# Altium PCB PCB1.PcbDoc (continued)
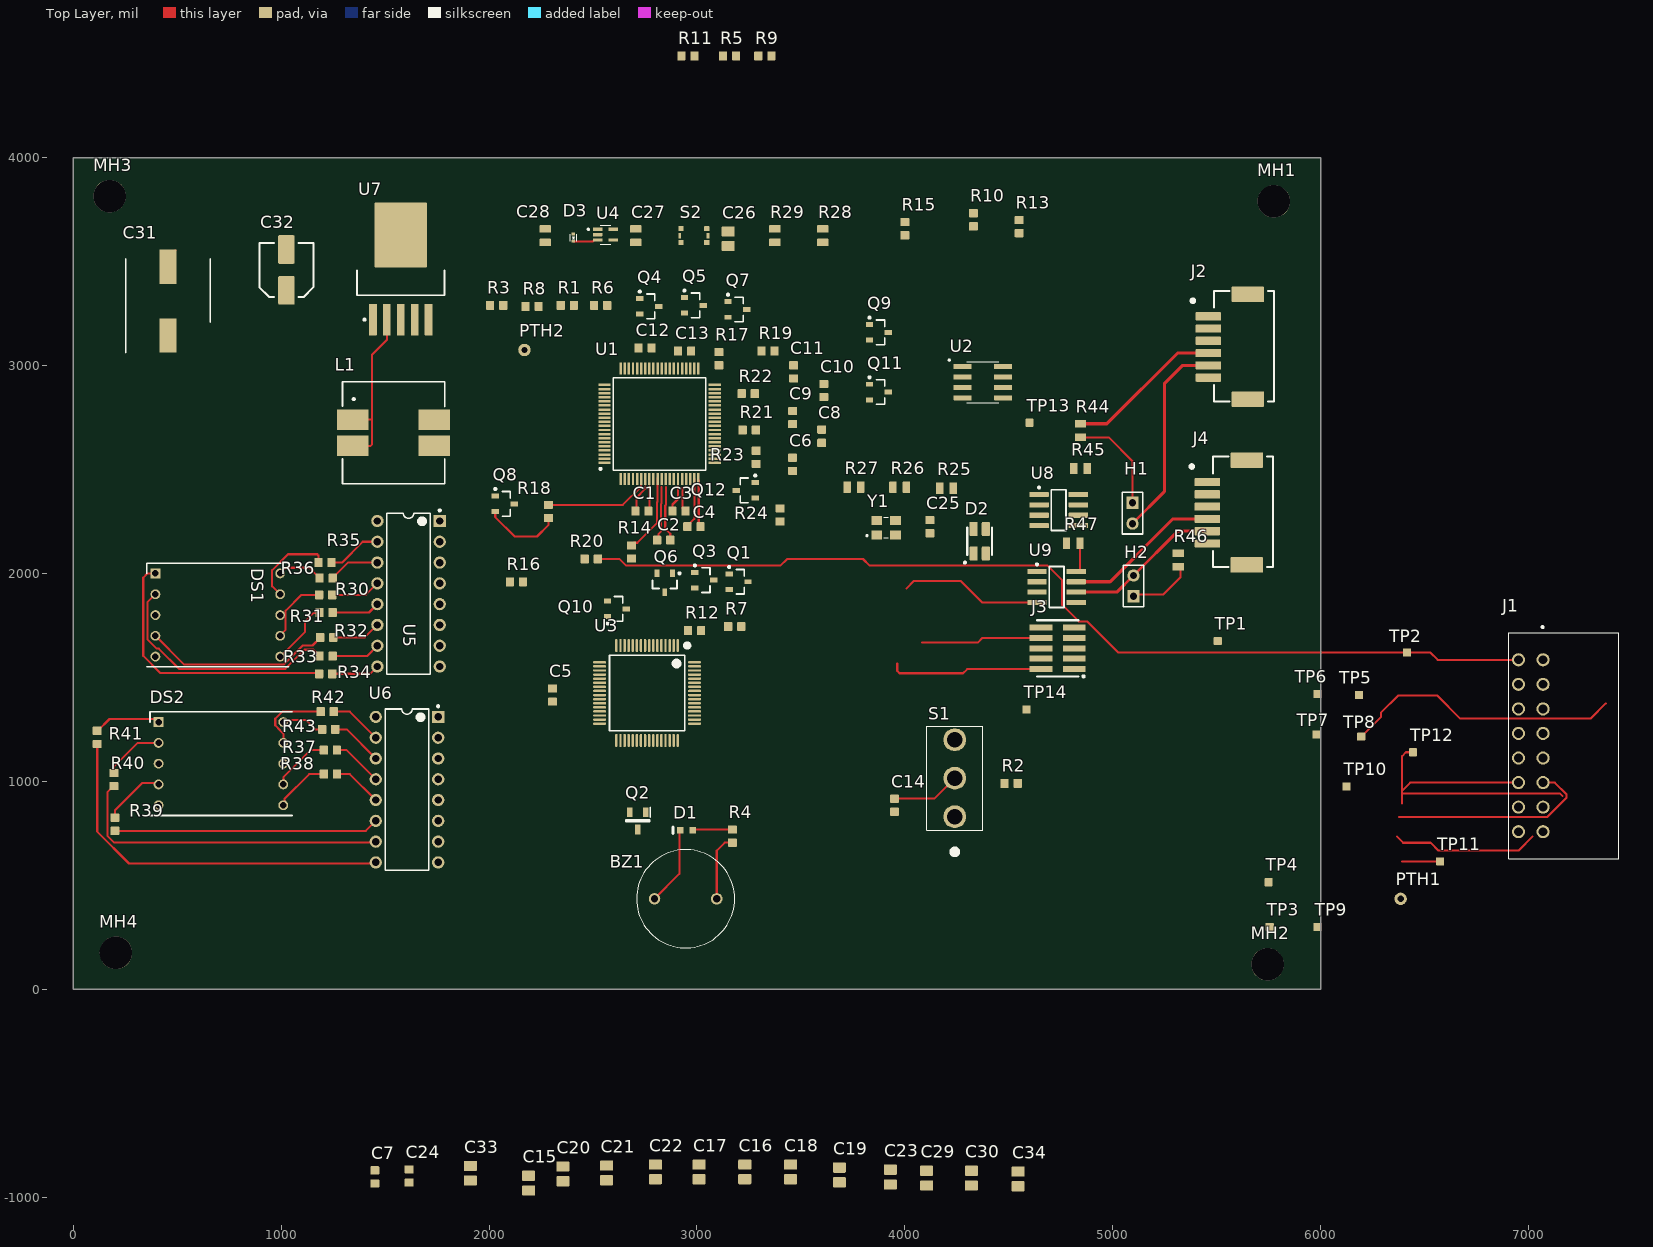
[diagram p0: Top Layer view]
## Footprints (in the part's own frame and the unit in brackets; to place one, negate y for a bottom-side part, rotate by r counter-clockwise, add the part's x,y. Pads: shape width x height; smd on the part's side, far side on the other; paste and mask are expansions set on the pad) (continued)
RADIAL_CORNELL_D [mm] "Size D radial surface mount capacitor"
  rrect15% 2x3.5 smd: 1(0,-2.5) 2(0,2.5)
  silkscreen extent -3.3,-3.3 3.3,3.3, body extent -3.3,-3.62 3.3,3.67, height 5.9
RES0603 [mm] "Chip Resistor, Body 1.6x0.8mm, IPC Medium Density"
  rrect15% 1x1.1 smd: 1(0,0) 2(1.6,0)
  body extent 0,-0.4 1.6,0.4, height 0.46
RES0805 [mm] "Chip Resistor, 2-Leads, Body 2.00x1.25mm, IPC High Density"
  rrect15% 0.9x1.4 smd: 1(-0.825,0) 2(0.825,0)
  body extent -1,-0.62 1,0.63, height 0.61
SOD-923 [mm]
  rrect15% 0.35x0.45 smd mask+0.05: 1(-0.437,0) 2(0.437,0)
  silkscreen extent -0.4,-0.4 0.4,0.4, body extent -0.53,-0.32 0.53,0.32, height 0.43
SOIC127P600X175-8N [mm]
  rrect15% 2.2x0.6 smd: 1(-2.475,1.905) 2(-2.475,0.635) 3(-2.475,-0.635) 4(-2.475,-1.905) 5(2.475,-1.905) 6(2.475,-0.635) 7(2.475,0.635) 8(2.475,1.905)
  silkscreen extent -4.2,-2.51 1.95,2.8, body extent -3,-2.45 3,2.45, height 1.75
SOT23-3#1 [mm] "SOT23, 3-Leads, Body 2.90x2.30mm, Pitch 0.95mm, IPC Medium Density"
  rect 0.9x0.6 smd: 1(-1.15,0.95) 2(-1.15,-0.95) 3(1.15,0)
  silkscreen extent -1.27,-1.5 0.7,1.92, body extent -1.3,-1.5 1.3,1.5, height 1.1
SOT23-3#2 [mm] "SOT23, 3-Leads, Body 2.90x2.30mm, Pitch 0.95mm, IPC Medium Density"
  rect 0.9x0.6 smd: 1(-1.15,-0.95) 2(-1.15,0.95) 3(1.15,0)
  silkscreen extent -1.27,-1.92 0.7,1.5, body extent -1.3,-1.5 1.3,1.5, height 1.1
SOT65P210X110-5N [mm]
  rrect25% 1.19x0.4 smd: 1(-0.96,0.65) 2(-0.96,0) 3(-0.96,-0.65) 4(0.96,-0.65) 5(0.96,0.65)
  silkscreen extent -2.2,-1.17 0.63,1.17, body extent -1.05,-1 1.05,1, height 1.1
SOT96P240X100-3N [mm]
  rect 1.2x0.65 smd: 1(-1.05,0.96) 2(-1.05,-0.96) 3(1.05,0)
  silkscreen extent -1.65,-1.45 0.1,1.54, body extent -1.2,-1.45 1.2,1.45, height 1
STM-LQFP64_L [mm] "QFP, 64-Leads, Body 10x10mm, Pitch 0.5mm, IPC High Density"
  oval 1.6x0.3 smd: 1(-5.8,3.75) 2(-5.8,3.25) 3(-5.8,2.75) 4(-5.8,2.25) 5(-5.8,1.75) 6(-5.8,1.25) 7(-5.8,0.75) 8(-5.8,0.25) 9(-5.8,-0.25) 10(-5.8,-0.75) 11(-5.8,-1.25) 12(-5.8,-1.75) 13(-5.8,-2.25) 14(-5.8,-2.75) 15(-5.8,-3.25) 16(-5.8,-3.75) 33(5.8,-3.75) 34(5.8,-3.25) 35(5.8,-2.75) 36(5.8,-2.25) 37(5.8,-1.75) 38(5.8,-1.25) 39(5.8,-0.75) 40(5.8,-0.25) 41(5.8,0.25) 42(5.8,0.75) 43(5.8,1.25) 44(5.8,1.75) 45(5.8,2.25) 46(5.8,2.75) 47(5.8,3.25) 48(5.8,3.75)
  oval 0.3x1.6 smd: 17(-3.75,-5.8) 18(-3.25,-5.8) 19(-2.75,-5.8) 20(-2.25,-5.8) 21(-1.75,-5.8) 22(-1.25,-5.8) 23(-0.75,-5.8) 24(-0.25,-5.8) 25(0.25,-5.8) 26(0.75,-5.8) 27(1.25,-5.8) 28(1.75,-5.8) 29(2.25,-5.8) 30(2.75,-5.8) 31(3.25,-5.8) 32(3.75,-5.8) 49(3.75,5.8) 50(3.25,5.8) 51(2.75,5.8) 52(2.25,5.8) 53(1.75,5.8) 54(1.25,5.8) 55(0.75,5.8) 56(0.25,5.8) 57(-0.25,5.8) 58(-0.75,5.8) 59(-1.25,5.8) 60(-1.75,5.8) 61(-2.25,5.8) 62(-2.75,5.8) 63(-3.25,5.8) 64(-3.75,5.8)
  silkscreen extent -5.92,-4.6 4.6,5.03, body extent -5.98,-6 6.02,6, height 1.56
TACTILE_SWITCH_SMD [mm]
  rrect15% 0.65x0.6 smd: 1(-1.575,0.85) 2(1.575,0.85) 3(1.575,-0.85) 4(-1.575,-0.85)
  rrect15% 0.35x0.7 smd: 5(1.725,0) 6(-1.725,0)
  body extent -1.75,-1.35 1.75,1.35, height 1.6
TESTPOINT_SQUARE_1MM [mm]
  rrect20% 1x1 smd: 1(0,0)
WE-DD-XL [mm] "SMD Inductor, 4-Leads, Body 12.5 x 12.5 mm"
  rect 3.85x2.5 smd: 1(-4.975,1.6) 2(-4.975,-1.6) 3(4.975,-1.6) 4(4.975,1.6)
  silkscreen extent -6.25,-6.25 6.25,6.25, body extent -6.3,-6.25 6.2,6.25, height 8.59
XTAL_ECS-250-20-33-CKM-TR [mm]
  rect 1.3x1.1 smd: 1(-1.15,-0.9) 2(1.15,-0.9) 3(1.15,0.9) 4(-1.15,0.9)
  silkscreen extent -2.45,-1.25 0.27,1.25, body extent -1.62,-1.25 1.58,1.25, height 0.8

## Part data
BZ1: "Buzzer", Manufacturer 1="CUI Inc.", Mouser Part Number=490-CMI-1275C-050, Supplier Part Number 1=668-1456-ND, Arrow Part Number=CMI-1275C-050, Arrow Price/Stock=https://www.arrow.com/en/products/cmi-1275c-050/cui-inc, Datasheet Link=https://componentsearchengine.com/Datasheets/1/CMI-1275C-050.pdf, Height=8mm, Manufacturer Part Number 1=CMI-1275C-050, Mouser Price/Stock=https://www.mouser.co.uk/ProductDetail/CUI-Devices/CMI-1275C-050?qs=qCxwlXJ4fnyWvfqXc%252BNqAA%3D%3D, Supplier 1=Digi-Key
C1 C2 C3 C4 C5 C6 C8 C9 C10 C11 C12 C13: "CAP CER 1UF 50V X6S 0603", Dielectric=X6S, Manufacturer 1="TDK Corporation", Manufacturer Part Number 1=C1608X6S1H105K080AC, Supplier Part Number 1=445-7424-1-ND, Voltage Rating=50V, Supplier 1=Digi-Key
C7: "CAP CER 0.1UF 50V X7R 0603", Dielectric=X7R, Manufacturer 1=Yageo, Manufacturer Part Number 1=CC0603KRX7R9BB104, Package/Footprint=0603, Supplier Part Number 1=311-1344-1-ND, Voltage Rating=50V, Mounting Type=SMD, Supplier 1=Digi-Key
C14: "CAP CER 0.1UF 16V X7R 0603", Dielectric=X7R, LCSC Number=C108079, Manufacturer 1=Yageo, Manufacturer Part Number 1=CC0603KRX7R7BB104, Package/Footprint=0603, Supplier Part Number 1=311-1088-1-ND, Voltage Rating=16V, Supplier 1=Digi-Key
C15 C16 C17 C18 C19 C20 C21 C22 C23 C29 C30 C33 C34: "CAP CER 0.1UF 50V X7R 0805", Dielectric=X7R, LCSC Part #=C49678, Manufacturer 1="Murata Electronics", Manufacturer Part Number 1=GCM21BR71H104KA37K, Package/Footprint=0805, Supplier Part Number 1=490-8049-1-ND, Voltage Rating=50V, Mounting Type=SMD, Supplier 1=Digi-Key
C24 C25: "CAP CER 14PF 50V C0G/NP0 0603", Dielectric=C0G, Manufacturer 1=Samsung, Manufacturer Part Number 1=CL10C140JB8NNNC, Package=0603, Supplier Part Number 1=1276-2187-1-ND, Voltage Rating=50V, Mounting Type=SMD, Supplier 1=Digi-Key
C26: "CAP CER 1UF 50V X7R 0805", LCSC Part #=C28323, Manufacturer 1="Samsung Electro-Mechanics", Manufacturer Part Number 1=CL21B105KBFNNNG, Package=0805, Supplier Part Number 1=1276-6470-1-ND, Voltage Rating=50V, Mounting Type=SMD, Supplier 1=Digi-Key
C27: "CAP CER 4.7UF 16V X5R 0805", Dielectric=X5R, LCSC Part #=C1779, Manufacturer 1="Samsung Electro-Mechanics", Manufacturer Part Number 1=CL21A475KOFNNNE, Package=0805, Supplier Part Number 1=1276-1065-1-ND, Voltage Rating=16V, Mounting Type=SMD, Supplier 1=Digi-Key
C28: "CAP CER 0.01uF 100V X7R 0805", Dielectric=X7R, LCSC Part #=C1710, Manufacturer 1="AVX Corporation", Manufacturer Part Number 1=08051C103KAT2A, Package=0805, Supplier Part Number 1=478-1358-1-ND, Voltage Rating=100V, Mounting Type=SMD, Supplier 1=Digi-Key
C31: "Capacitor", Manufacturer_Name="Wurth Elektronik", Mouser Part Number=710-865080557015, Datasheet Link=https://nz.mouser.com/datasheet/2/445/865080557015-1726432.pdf, Height=10.5mm, Manufacturer_Part_Number=865080557015, Mouser Price/Stock=https://www.mouser.co.uk/ProductDetail/Wurth-Elektronik/865080557015?qs=0KOYDY2FL29uKDjS3YVvFg%3D%3D
C32: "CAP ALUM 100UF 20% 35V SMD", Manufacturer 1=Rubycon, Manufacturer Part Number 1=35TKV100M8X10.5, Package/Footprint=SMD, Supplier Part Number 1=1189-2074-1-ND, Voltage Rating=35V, Mounting Type=SMD, Supplier 1=Digi-Key
D1: library part CMP-1744-00002-1, "Chip LED, Green, 2.2 V, -40 to 85 degC, 2-Pin SMD, RoHS, Tape and Reel", Case\Package=SOIC, Clock Frequency="100 KHz", Frequency="400 KHz", LCSC Number=C188729, Max Operating Temperature="85 degC", Max Supply Voltage="5.5 V", Min Operating Temperature="-40 degC", Min Supply Voltage="1.7 V", Nominal Supply Current="2 mA", Package Quantity=3000, Access Time="3500 ns", ComponentLink1Description="Manufacturer URL", ComponentLink1URL=http://www.avagotech.com/, ComponentLink2Description=Datasheet, ComponentLink2URL=http://docs.avagotech.com/docs/AV02-0551EN, ComponentLink3Description="Package Specification", ComponentLink3URL=http://www.fairchildsemi.com/dwg/MA/MA03D.pdf, DatasheetVersion=Mar-12, Density="32 kb", Height="1.5 mm", Interface=Serial, Length="5 mm", Max Clock Frequency="100 KHz", Mount="Surface Mount", PackageDescription="2-Pin Surface Mount Device, Body 1.6 x 0.8 mm, Height 0.9 mm", PackageReference=HSMX-C190, Packaging="Tape and Reel", Pins=8, Radiation Hardening=No, REACH SVHC="No SVHC", RoHSCompliant=true, Width="4 mm"
D2: "LED RGB DIFFUSED 4PLCC SMD", Color=Blue,Green,Red, Forward Voltage=3.1V, Lens Color=White, Manufacturer 1=Broadcom, Manufacturer Part Number 1=ASMB-MTB1-0A3A2, Package/Footprint=4-PLCC, Supplier Part Number 1=516-3280-1-ND, Test Current=20mA, Dominant Wavelength=470nm, Lens Style=Round, Lens Transparency=Diffused, Luminous Intensity=350mcd, Mounting Type=SMD, Number of Pins=4, Supplier 1=Digi-Key, Viewing Angle=115°
D3: "TVS DIODE 3.3VWM 11VC SOD923", Manufacturer 1="Central Semiconductor Corp", Manufacturer Part Number 1="CMATVS3V3 TR PBFREE", Package/Footprint=SOD-923, Supplier Part Number 1=1514-CMATVS3V3TRPBFREECT-ND, Voltage - Breakdown (Min)=5V, Voltage - Clamping (Max) @ Ipp=11V, Voltage - Reverse Standoff (Typ)=3.3V, Mounting Type=SMD, Supplier 1=Digi-Key
DS1 DS2: "Display", Manufacturer_Name=Lite-On, Mouser Part Number=859-LSHD-5503, Arrow Part Number=LSHD-5503, Arrow Price/Stock=https://www.arrow.com/en/products/lshd-5503/lite-on-technology, Datasheet Link=https://componentsearchengine.com/Datasheets/1/LSHD-5503.pdf, Height=8.25mm, Manufacturer_Part_Number=LSHD-5503, Mouser Price/Stock=https://www.mouser.com/Search/Refine.aspx?Keyword=859-LSHD-5503
H1 H2: "HEADER 2X1", Manufacturer 1="TE Connectivity", Manufacturer Part Number 1=87220-2, Package/Footprint=TH, Supplier Part Number 1=A26542-ND, Mount="Through Hole", Mounting Type=TH, Supplier 1=Digi-Key
J1: "Connector 16 Pin AJX", Arrow Part Number=0430451600, Manufacturer_Name=Molex, Arrow Price/Stock=https://www.arrow.com/en/products/0430451600/molex, Datasheet Link=https://www.molex.com/pdm_docs/sd/430451600_sd.pdf, Height=9.02mm, Manufacturer_Part_Number=0430451600
J2 J4: "CONN HEADER SMD RIGHT ANGLE 1.5 MM PITCH", Manufacturer 1=Molex, Manufacturer Part Number 1=5025850670, Package/Footprint=SMD, Supplier Part Number 1=WM12832CT-ND, Family=CLIK-Mate, Mounting Type=SMD, Supplier 1=Digi-Key
J3: "CONN HEADER SMD 10POS 1.27MM", Manufacturer 1=Samtec, Manufacturer Part Number 1=FTSH-105-01-F-DV-K, Supplier Part Number 1=SAM8796-ND, Mounting Type=SMD, Pitch=1.27mm, Supplier 1=Digi-Key
L1: library part CMP-0228-00007-1, "SMD Shielded Coupled Inductor WE-DD, L = 220 µH", Inductance="220 ÂµH", ComponentLink1Description="Manufacturer Link", ComponentLink1URL=http://www.we-online.com, ComponentLink2Description=Datasheet, ComponentLink2URL=http://www.we-online.de/katalog/media/pdf/744870221.pdf, DatasheetVersion="ver 6, Mar-2005", PackageDescription="SMD Inductor, 4-Leads, Body 12.5 x 12.5 mm", PackageReference=WE-DD-XL, PackageVersion=2006
Q1 Q3 Q4 Q5 Q6 Q7 Q8 Q9 Q10 Q11 Q12: "MOSFET N-CH 20V 6A SOT-23", Manufacturer 1="Alpha & Omega", Manufacturer Part Number 1=AO3420, Supplier Part Number 1=785-1014-2-ND, Supplier 1=Digi-Key
Q2: "MOSFET (N-Channel)", Manufacturer_Name="Diodes Inc.", Mouser Part Number=621-DMN65D8L-7, Arrow Part Number=DMN65D8L-7, Arrow Price/Stock=https://www.arrow.com/en/products/dmn65d8l-7/diodes-incorporated?region=nac, Datasheet Link=https://www.diodes.com/assets/Datasheets/DMN65D8L.pdf, Height=1mm, Manufacturer_Part_Number=DMN65D8L-7, Mouser Price/Stock=https://www.mouser.co.uk/ProductDetail/Diodes-Incorporated/DMN65D8L-7?qs=gfe7vQ8txpWvqTwiknwghA%3D%3D
R1 R5 R6 R9 R10 R13 R14 R17 R18 R21 R23: "RES 3K OHM 1% 1/10W 0603", Manufacturer 1=Yageo, Manufacturer Part Number 1=RC0603FR-073KL, Supplier Part Number 1=311-3.00KHRCT-ND, Supplier 1=Digi-Key
R2 R4: "RES 1K OHM 5% 1/10W 0603", LCSC Number=C14676, Manufacturer 1=Yageo, Manufacturer Part Number 1=RC0603JR-071KL, Package/Footprint=0603, Supplier Part Number 1=311-1.0KGRCT-ND, Mounting Type=SMD, Supplier 1=Digi-Key
R3 R7 R8 R11 R12 R15 R16 R19 R20 R22 R24: "RES 430 OHM 5% 1/10W 0603", Manufacturer 1="Stackpole Electronics", Manufacturer Part Number 1=RMCF0603JT430R, Package/Footprint=0603, Mounting Type=SMD, Supplier 1=Digi-Key, Supplier Part Number 1=RMCF0603JT430R
R25 R27: "RES 20 OHM 1% 1/8W 0805", LCSC Part #=C17581, Manufacturer 1=Yageo, Manufacturer Part Number 1=RC0805FR-0720RL, Package=0805, Supplier Part Number 1=311-20.0CRCT-ND, Mounting Type=SMD, Supplier 1=Digi-Key
R26 R44 R46: "RES 120 OHM 1% 1/8W 0805", LCSC Part #=C17437, Manufacturer 1=Vishay, Manufacturer Part Number 1=CRCW0805120RFKEA, Package/Footprint=0805, Supplier Part Number 1=541-120CCT-ND, Mounting Type=SMD, Supplier 1=Digi-Key
R28 R29: "RES 10K OHM 5% 1/8W 0805", LCSC Part #=C17414, Manufacturer 1="Panasonic Electronic Components", Manufacturer Part Number 1=ERJ-6GEYJ103V, Package/Footprint=0805, Supplier Part Number 1=P10KACT-ND, Mounting Type=SMD, Supplier 1=Digi-Key
R30 R31 R32 R33 R34 R35 R36 R37 R38 R39 R40 R41 R42 R43: "RES 62 OHM 1% 1/10W 0603", Manufacturer=Vishay, Manufacturer Part Number=CRCW060362R0FKEA, Package=0603, Supplier Part Number 1=541-62.0HCT-ND, Supplier 1=Digi-Key
R45 R47: "RES 0 OHM JUMPER 1/8W 0805", LCSC Part #=C17477, Manufacturer 1="Panasonic Electronic Components", Manufacturer Part Number 1=ERJ-6GEY0R00V, Package/Footprint=0805, Supplier Part Number 1=P0.0ACT-ND, Mounting Type=SMD, Supplier 1=Digi-Key
S1: "SWITCH TOGGLE SPDT 5A 120V", Manufacturer 1=E-Switch, Manufacturer Part Number 1=100SP1T1B4M2QE, Package/Footprint=TH, Supplier Part Number 1=EG2355-ND, Voltage Rating (DC)=28V, Mounting Type=TH, Supplier 1=Digi-Key, Throw Configuration=SPDT
S2: "SMT 3.0 X 2.6 MM TACT SWITCH WIT", Manufacturer 1="Würth Elektronik", Manufacturer Part Number 1=435151014824, Supplier Part Number 1=732-435151014824CT-ND, Supplier 1=Digi-Key
TP1: "CELL0"
TP2: "CELL1"
TP3: "CELL2"
TP4: "CELL3"
TP5: "CELL4"
TP6: "CELL5"
TP7: "CELL6"
TP8: "CELL7"
TP9: "CELL8"
TP10: "CELL9"
TP11: "CELL10"
TP12: "CELL11"
TP13: "CURR_OUT"
TP14: "TESTPOINT 1MM SQUARE"
U1: "IC 16s BMS", Manufacturer_Name="Maxim Integrated", Mouser Part Number=700-MAX14921ECS+, Datasheet Link=http://pdfserv.maximintegrated.com/package_dwgs/21-0072.PDF, Height=1.2mm, Manufacturer_Part_Number=MAX14921ECS+, Mouser Price/Stock=https://www.mouser.co.uk/ProductDetail/Maxim-Integrated/MAX14921ECS%2b?qs=Vwh6e7toGLhlnKi5DjCusg%3D%3D
U2: "Hall-Effect Current Sensor", Arrow Part Number=TMCS1101A3BQDRQ1, Manufacturer_Name="Texas Instruments", Mouser Part Number=595-TMCS1101A3BQDRQ1, Arrow Price/Stock=https://www.arrow.com/en/products/tmcs1101a3bqdrq1/texas-instruments?region=nac, Datasheet Link=https://www.ti.com/lit/ds/symlink/tmcs1101-q1.pdf?HQS=dis-dk-null-digikeymode-dsf-pf-null-wwe&ts=1636812075055&ref_url=https%253A%252F%252Fwww.digikey.be%252F, Height=1.75mm, Manufacturer_Part_Number=TMCS1101A1BQDRQ1, Mouser Price/Stock=https://www.mouser.co.uk/ProductDetail/Texas-Instruments/TMCS1101A3BQDRQ1?qs=QNEnbhJQKvb740%252BlrUS3Og%3D%3D
U3: library part MCU_STM32F446RET6, "ARM Cortex-M4 32-bit MCU+FPU, 512 KB Flash, 128 KB Internal RAM, 50 I/Os, 64-Pin LQFP, -40 to 85 degC, Tray", I/Os (High Current)=50, Operating Frequency(F) (Processor speed) (MHz)=180, Package Description=LQFP64, Package Reference="64-Pin Low-profile Quad Flat Package, Body 10 x 10 mm, Pitch 0.5 mm", Supplier Part Number 1=497-15376-ND, Supply Voltage(Vcc) min (V)=1.7, ComponentLink1Description="Manufacturer URL", ComponentLink1URL=http://www.st.com/, ComponentLink2Description=Datasheet, ComponentLink2URL=http://www.st.com/st-web-ui/static/active/en/resource/technical/document/datasheet/DM00141306.pdf, Core="ARM Cortex-M4", D/A Converter=2, DatasheetVersion="Rev. 6", FLASH Size (Prog) (kB)=512, Internal RAM Size (kB)=128, Mounting Technology="Surface Mount", Packing=Tray, Supplier 1=Digi-Key
U4: "SENSOR ANALOG -50C-150C SC70-5", Manufacturer 1="Texas Instruments", Manufacturer Part Number 1=LMT87DCKT, Package/Footprint=SC70-5, Supplier Part Number 1=296-35730-1-ND, Mounting Type=SMD, Supplier 1=Digi-Key
U5 U6: library part CMP-0388-00316-2, "CMOS BCD-to-7-Segment LED Latch / Decoder / Driver, 3 to 18 V, -55 to 125 degC, 16-pin DIP (N16), Pb-Free (RoHS)", Manufacturer="Texas Instruments", Rating=Military, Code_JEDEC=MS-001, ComponentLink1Description="Manufacturer URL", ComponentLink1URL=http://www.ti.com/, ComponentLink2Description=Datasheet, ComponentLink2URL=http://www.ti.com/general/docs/lit/getliterature.tsp?genericPartNumber=CD4511B&fileType=pdf, ComponentLink3Description="Package Specification", ComponentLink3URL=http://www.ti.com/litv/pdf/mpdi002c, DatasheetVersion=SCHS072B, Eco-Plan="Pb-Free (RoHS)", Mounting Technology="Through Hole", PackageDescription="16-Pin Plastic In-Line, Body 19.305 x 6.35 mm, Pitch 2.54 mm", PackageReference=N0016A, PackageVersion=4040049/E, PartNumber=CD4511BE, SubFamily="Discrete Segment LED Driver", Vin(Max)(V)=18, Vin(Min)(V)=3
U7: library part CMP-0069-00090-3, "SIMPLE SWITCHER® 1A Step-Down Voltage Regulator, 5-pin TO-263, Pb-Free", Manufacturer="Texas Instruments", PackageTopMarking="NSUZXYTTE#*LM2575HVS*-3.3 P+", PowerWise=N, Code_JEDEC=MO-169-AB, ComponentLink1Description="Datasheet URL", ComponentLink1URL=http://www.ti.com/general/docs/lit/getliterature.tsp?genericPartNumber=LM2575HV&fileType=pdf, CompType=Switcher, PackageDescription="TO-263, Molded, .400 x .390 x .180in, 5 Lead, .067in Pitch, Surface Mount", PackageReference=KTT0005B, PinCount=5, RoHS=Y
U8 U9: "IC TXRX CAN 4MBPS 8SO", LCSC Part #=C117076, Manufacturer 1="Linear Technologies", Manufacturer Part Number 1=LTC2875IS8#PBF, Package/Footprint=8-SOIC, Supplier Part Number 1=LTC2875IS8#PBF-ND, Mounting Type=SMD, Supplier 1=Digi-Key
Y1: "CRYSTAL 25.0000MHZ 20PF SMD", Frequency=25MHz, Load Capacitance=20pF, Manufacturer 1="ECS Inc.", Manufacturer Part Number 1=ECS-250-20-33-CKM-TR, Package/Footprint=SMD, Supplier Part Number 1=XC1817CT-ND, Mounting Type=SMD, Supplier 1=Digi-Key

## Nets (pads, with @x,y where several pads share a name; then routed paths per layer and width w, separated by ;. In a path a pad name is that pad's centre, name@x,y a point inside that pad or via, vN(x,y) a via of type N, cw(c..) or ccw(c..) an arc to the next point about the centre after c; other vN are vias at no path point)
3V3: BZ1.1 C7.1 C15.2 C16.2 C17.2 C18.2 C19.2 C20.2 C21.2 C22.2 C23.2 C28.2 C29.2 C30.2 C31.1 C33.2 C34.2 D2.4 J3.1 L1.3 L1.4 R4.1 R28.2 U1.5 U2.8 U3.1 U3.13 U3.19 U3.32 U3.48 U3.64 U4.1 U4.4 U4.5 U5.3 U5.4 U5.16 U6.3 U6.4 U6.16 U7.4 U8.3 U9.3 | length 322.5
  Top Layer w10: BZ1.1 3095,666.65 3133.35,705 R4.1
AGND: C5.1 C5.2 C7.2 C14.1 C15.1 C16.1 C17.1 C18.1 C19.1 C20.1 C21.1 C22.1 C23.1 C24.1 C25.1 C26.1 C27.1 C28.1 C29.1 C30.1 C31.2 C32.2 C33.1 C34.1 D3.2 DS1.3 DS2.3 J1.1 J2.0 J2.3 J2.6 J3.3 J3.5 J4.0 J4.3 J4.6 PTH1.1 Q2.2 Q10.2 R29.2 R45.2 R47.2 S1.1 S2.1 TP1.1 U1.6 U1.11 U1.77 U1.78 U2.3 U2.4 U2.5 U2.6 U3.12 U3.18 U3.31 U3.47 U3.63 U4.2 U5.5 U5.8 U6.5 U6.8 U7.3 U7.5 U7.6 U8.2 U9.2 Y1.2 Y1.4 | length 92.3
  Top Layer w10: C31.2 455,3517.68 C31.2@490.35,3553.03
CANA_N: H1.2 J2.1 J2.5 U8.6 | length 984.8
  Top Layer w15: H1.2 5248.44,2393.44 5248.44,2913.44 5335.94,3000.94 J2.5
CANA_P: J2.2 J2.4 R44.2 U8.7 | length 755.8
  Top Layer w15: R44.2 4971.86,2720 5311.86,3060 J2.4
CANB_N: H2.2 J4.1 J4.5 U9.6 | length 752.3
  Top Layer w15: U9.6 5020,1910 H2.2 5313.46,2203.46 J4.5
CANB_P: J4.2 J4.4 R46.2 U9.7 | length 756.1
  Top Layer w15: U9.7 4987.68,1960 5290.2,2262.52 J4.4
JTDI: J3.8 U3.50 | length 581.2
  Top Layer w10: 4083.35,1667.05 4350.43,1667.05 4373.38,1690 J3.8
JTDO/TRACESWO: J3.6 U3.55
LED_B_n: R25.2 U3.15
LED_G_n: R27.2 U3.14
LED_R_n: R26.1 U3.16
NetBZ1_2: BZ1.2 D1.2 Q2.3 | length 381.6
  Top Layer w10: BZ1.2 2915.47,554.68 2915.47,760 D1.2
NetC1_1: C1.1 U1.74 | length 137.9
  Top Layer w10: C1.1 2709.25,2305.75 2709.25,2364.99 2751.57,2407.31 2751.57,2417.98
NetC1_2: C1.2 U1.73 | length 120.1
  Top Layer w10: C1.2 2771.57,2305.08 2771.57,2417.98
NetC2_1: C2.1 U1.70 | length 265.9
  Top Layer w10: C2.1 2815.8,2167.29 2815.8,2190.8 2827.32,2202.32 2827.32,2333.84 2830.32,2336.84 2830.32,2416.88
NetC2_2: C2.2 U1.69 | length 267.9
  Top Layer w10: 2850.32,2416.63 2850.32,2328.55 2847.32,2325.56 2847.32,2215.2 2871.5,2191.03 C2.2
NetC3_1: C3.1 U1.66 | length 128.9
  Top Layer w10: C3.1 2882.01,2332.01 2908.43,2358.43 2908.43,2417.98
NetC3_2: C3.2 U1.65 | length 117.6
  Top Layer w10: 2930.31,2411.49 2930.31,2314.69 C3.2
NetC4_1: C4.1 U1.62 | length 243.5
  Top Layer w10: C4.1 2968.19,2239.69 2968.19,2243.19 2987.48,2262.48 U1.62
NetC4_2: C4.2 U1.61 | length 228.4
  Top Layer w10: U1.61@3008.39,2450 3008.39,2233.11 C4.2
NetC6_1: C6.1 U1.58
NetC6_2: C6.2 U1.57
NetC8_1: C8.1 U1.54
NetC8_2: C8.2 U1.53
NetC9_1: C9.1 U1.50
NetC9_2: C9.2 U1.49
NetC10_1: C10.1 U1.46
NetC10_2: C10.2 U1.45
NetC11_1: C11.1 U1.42
NetC11_2: C11.2 U1.41
NetC12_1: C12.1 U1.34
NetC12_2: C12.2 U1.33
NetC13_1: C13.1 U1.38
NetC13_2: C13.2 U1.37
NetC14_2: C14.2 R2.1 S1.2 | length 330.8
  Top Layer w10: C14.2 4141.5,916.5 S1.2
NetC24_2: C24.2 U3.6 Y1.1
NetC25_2: C25.2 U3.5 Y1.3
NetC27_2: C27.2 U3.30
NetC32_1: C32.1 U1.12 U1.13 U1.14 U1.15 U1.19 U1.23 U1.27 U1.31 U2.1 U2.2 U7.1
NetD1_1: D1.1 R4.2 | length 191.7
  Top Layer w10: D1.1 2982.52,767.99 R4.2
NetD2_1: D2.1 R26.2
NetD2_2: D2.2 R27.1
NetD2_3: D2.3 R25.1
NetDS1_1: DS1.1 R34.2 | length 1324.9
  Top Layer w10: DS1.1 356.38,2000 336.38,1980 336.38,1604 419,1521.38 1178.54,1521.38 R34.2
NetDS1_2: DS1.2 R33.2 | length 1171.2
  Top Layer w10: DS1.2 356.38,1861.38 356.38,1684 401.76,1638.62 411,1638.62 508.24,1541.38 1019.28,1541.38 1111.1,1633.2 1155.7,1633.2 1184.53,1604.37 R33.2
NetDS1_4: DS1.4 R32.2 | length 905.4
  Top Layer w10: DS1.4 533.62,1561.38 1011,1561.38 1102.82,1653.2 1150.28,1653.2 1187.52,1690.43 R32.2
NetDS1_6: DS1.6 R31.2 | length 306.7
  Top Layer w10: DS1.6 1115,1720 1115,1769.88 1155.7,1810.58 1182.71,1810.58 R31.2
NetDS1_7: DS1.7 R30.2 | length 324.9
  Top Layer w10: DS1.7 995,1702.34 1021.14,1728.48 1021.14,1821.02 1097.52,1897.4 R30.2
NetDS1_9: DS1.9 R35.2 | length 423.4
  Top Layer w10: DS1.9 956.38,1938.62 956.38,2016 1032.78,2092.4 1173.67,2092.4 1179.53,2086.54 R35.2
NetDS1_10: DS1.10 R36.2 | length 221.6
  Top Layer w10: DS1.10 1022.4,2027.4 1134.53,2027.4 R36.2
NetDS2_1: DS2.1 R41.2 | length 324.8
  Top Layer w10: R41.2 116.97,1242.99 173.98,1300 395,1300 DS2.1
NetDS2_2: DS2.2 R40.2 | length 292.6
  Top Layer w10: R40.2 195,1070 310,1185 DS2.2
NetDS2_4: DS2.4 R39.2 | length 302.7
  Top Layer w10: R39.2 200,860 332.13,992.13 402.87,992.13 DS2.4
NetDS2_6: DS2.6 R38.2 | length 271.8
  Top Layer w10: DS2.6 1014.81,889.81 1014.81,914.81 1135,1035 R38.2
NetDS2_7: DS2.7 R37.2 | length 283.8
  Top Layer w10: DS2.7 1010,1020 1140,1150 R37.2
NetDS2_9: DS2.9 R42.2 | length 364.2
  Top Layer w10: 993.18,1245.55 1010,1228.73 DS2.9 ; 994,1246.38 971.38,1269 971.38,1301 1005.38,1335 R42.2
NetDS2_10: DS2.10 R43.2 | length 209
  Top Layer w10: DS2.10 1017.13,1292.13 1032.53,1292.13 1034.48,1294.08 1119.74,1294.08 1163.81,1250 R43.2
NetH1_1: H1.1 R44.1 | length 497.7
  Top Layer w10: R44.1 4979.96,2655.04 5095,2540 H1.1
NetH2_1: H2.1 R46.1 | length 319.5
  Top Layer w10: H2.1 5108.67,1898.67 5243.67,1898.67 5325.66,1980.66 5325.66,2021.86 R46.1
NetJ1_2: J1.2 Q6.2 R14.1 R16.1 TP3.1
NetJ1_3: J1.3 Q1.2 R5.1 R7.1 TP5.1
NetJ1_4: J1.4 Q11.2 R23.1 R24.1 TP7.1
NetJ1_5: J1.5 Q7.2 R17.1 R19.1 TP9.1
NetJ1_6: J1.6 Q4.2 R9.1 R11.1 TP11.1 | length 1888.8
  Top Layer w10: 6366.9,735 6397.43,704.47 6529.22,704.47 6566.21,667.48 6952.41,667.48 7019.93,735 ; 6378.29,828.36 7089.36,828.36 7182.72,921.72 7182.72,938.28 7126.91,994.09 J1.6 ; 6390.79,615 TP11.1
NetJ1_9: J1.9 Q8.2 R18.1 R20.1 TP2.1 | length 5104.4
  Top Layer w10: Q8.2 2029.72,2270.79 2122.91,2177.6 2230.28,2177.6 2285,2232.32 R18.1 ; R20.1 2626.19,2070 2658.86,2037.32 3401.47,2037.32 3433.99,2069.84 3798.49,2069.84 3831.03,2037.3 4687.04,2037.3 4756.51,1967.83 4756.51,1849.15 4836.16,1769.5 4876.21,1769.5 5025.71,1620 6527.67,1620 6563.03,1584.65 J1.9
NetJ1_10: J1.10 Q3.2 R10.1 R12.1 TP4.1
NetJ1_11: J1.11 Q12.2 R1.1 R3.1 TP6.1
NetJ1_12: J1.12 Q9.2 R21.1 R22.1 TP8.1 | length 1347.5
  Top Layer w10: TP8.1 6291.1,1311.1 6291.1,1331.72 6372.51,1413.13 6560.75,1413.13 6672.05,1301.83 7298.33,1301.83 7371.81,1375.32
NetJ1_13: J1.13 Q5.2 R13.1 R15.1 TP10.1
NetJ1_14: J1.14 PTH2.1 R6.1 R8.1 TP12.1 | length 1639.9
  Top Layer w10: 6391.81,894.09 6391.81,940.69 ; TP12.1 6410.31,1140 6391.81,1121.5 6391.81,954.83 ; J1.14 6431.07,994.09 6391.81,954.83 ; 7162.72,930 7152.03,940.69 6391.81,940.69 ; 6391.81,940.69 6391.81,954.83
NetL1_1: L1.1 L1.2 U7.2 | length 815
  Top Layer w10: L1.2 1429.93,2614.02 1435.79,2619.87 1435.79,2740 ; L1.1 1435.79,2740 ; U7.2 1508.07,3123.07 1435.79,3050.79 1435.79,2740
NetQ1_1: Q1.1 U1.60
NetQ1_3: Q1.3 R3.2
NetQ2_1: Q2.1 U3.25
NetQ3_1: Q3.1 U1.64
NetQ3_3: Q3.3 R7.2
NetQ4_1: Q4.1 U1.36
NetQ4_3: Q4.3 R8.2
NetQ5_1: Q5.1 U1.40
NetQ5_3: Q5.3 R11.2
NetQ6_1: Q6.1 U1.68
NetQ6_3: Q6.3 R12.2
NetQ7_1: Q7.1 U1.44
NetQ7_3: Q7.3 R15.2
NetQ8_1: Q8.1 U1.72
NetQ8_3: Q8.3 R16.2
NetQ9_1: Q9.1 U1.48
NetQ9_3: Q9.3 R19.2
NetQ10_1: Q10.1 U1.76
NetQ10_3: Q10.3 R20.2
NetQ11_1: Q11.1 U1.52
NetQ11_3: Q11.3 R22.2
NetQ12_1: Q12.1 U1.56
NetQ12_3: Q12.3 R24.2
NetR1_2: R1.2 U1.59
NetR2_2: R2.2 TP14.1 U1.79 U3.41
NetR5_2: R5.2 U1.63
NetR6_2: R6.2 U1.35
NetR9_2: R9.2 U1.39
NetR10_2: R10.2 U1.67
NetR13_2: R13.2 U1.43
NetR14_2: R14.2 U1.71 | length 385.7
  Top Layer w10: R14.2 2697.91,2147.91 2712.91,2147.91 2807.32,2242.32 2807.32,2342.13 2810.32,2345.12 U1.71@2810.32,2460
NetR17_2: R17.2 U1.47
NetR18_2: R18.2 U1.75 | length 519.5
  Top Layer w10: R18.2 2643.6,2330 2731.57,2417.98 U1.75
NetR21_2: R21.2 U1.51
NetR23_2: R23.2 U1.55
NetR29_1: R29.1 U3.60
NetR30_1: R30.1 U5.13 | length 239.8
  Top Layer w10: R30.1 1407.52,1897.4 U5.13
NetR31_1: R31.1 U5.12 | length 231.6
  Top Layer w10: R31.1 1422.52,1812.4 U5.12
NetR32_1: R32.1 U5.11 | length 236.9
  Top Layer w10: R32.1 1402.52,1692.4 U5.11
NetR33_1: R33.1 U5.10 | length 235.7
  Top Layer w10: R33.1 1412.52,1602.4 U5.10
NetR34_1: R34.1 U5.9 | length 231.5
  Top Layer w10: R34.1 1427.52,1517.4 U5.9
NetR35_1: R35.1 U5.15 | length 261.4
  Top Layer w10: R35.1 1292.27,2052.4 1392.27,2152.4 U5.15
NetR36_1: R36.1 U5.14 | length 247.2
  Top Layer w10: R36.1 1247.52,1979.37 1320.55,2052.4 U5.14
NetR37_1: R37.1 U6.13 | length 245
  Top Layer w10: R37.1 1315,1150 U6.13
NetR38_1: R38.1 U6.12 | length 238.8
  Top Layer w10: R38.1 1330,1035 U6.12
NetR39_1: R39.1 U6.11 | length 1274.9
  Top Layer w10: R39.1 1407.01,762.01 U6.11
NetR40_1: R40.1 U6.10 | length 1560.8
  Top Layer w10: R40.1 193.03,977.01 163.35,947.32 163.35,737.84 196.19,705 1450,705 U6.10
NetR41_1: R41.1 U6.9 | length 1827.5
  Top Layer w10: R41.1 115,757.9 267.9,605 1450,605 U6.9
NetR42_1: R42.1 U6.15 | length 253.8
  Top Layer w10: R42.1 1330,1335 U6.15
NetR43_1: R43.1 U6.14 | length 253
  Top Layer w10: R43.1 1315,1250 U6.14
NetR45_1: R45.1 U8.8
NetR47_1: R47.1 U9.8 | length 148.7
  Top Layer w10: U9.8 4835.18,2010 4842.48,2017.3 R47.1
NetTP13_1: TP13.1 U2.7 U3.39
NetU1_1: U1.1 U3.59
NetU1_2: U1.2 U3.61
NetU1_3: U1.3 U3.62
NetU1_4: U1.4 U3.29
NetU1_80: U1.80 U3.42
NetU3_2: U3.2 U6.6
NetU3_8: U3.8 U5.7
NetU3_9: U3.9 U5.1
NetU3_10: U3.10 U5.2
NetU3_11: U3.11 U5.6
NetU3_33: U3.33 U9.4 | length 684.4
  Top Layer w10: 4008.54,1928.54 4043.54,1963.54 4269.66,1963.54 4373.2,1860 U9.4
NetU3_34: U3.34 U9.1
NetU3_44: U3.44 U8.4
NetU3_45: U3.45 U8.1
NetU3_51: U3.51 U6.7
NetU3_52: U3.52 U6.1
NetU3_53: U3.53 U6.2
NRST: C26.2 J3.10 R28.1 S2.2 U3.7
SWD_CLK: J3.4 U3.49
SWD_IO: J3.2 U3.46 | length 740.1
  Top Layer w10: 3963.27,1566.65 3963.27,1531.65 3963.27,1531.18 3974.45,1520 4279.57,1520 4299.57,1540 J3.2
TEMPERATURE_ADC_INPUT: D3.1 U3.17 U4.3 | length 120
  Top Layer w10: D3.1 2500.02,3597.78 2506.65,3604.41 U4.3
pads on no net: DS1.5 DS1.8 DS2.5 DS2.8 J1.7 J1.8 J1.15 J1.16 J1.MH1 J1.MH2 J3.7 J3.9 MH1.0 MH2.0 MH3.0 MH4.0 S1.3 S2.3 S2.4 S2.5 S2.6 U1.7 U1.8 U1.9 U1.10 U1.16 U1.17 U1.18 U1.20 U1.21 U1.22 U1.24 U1.25 U1.26 U1.28 U1.29 U1.30 U1.32 U3.3 U3.4 U3.20 U3.21 U3.22 U3.23 U3.24 U3.26 U3.27 U3.28 U3.35 U3.36 U3.37 U3.38 U3.40 U3.43 U3.54 U3.56 U3.57 U3.58 U8.5 U9.5